# KiCad board m-blanc.kicad_pcb (continued)
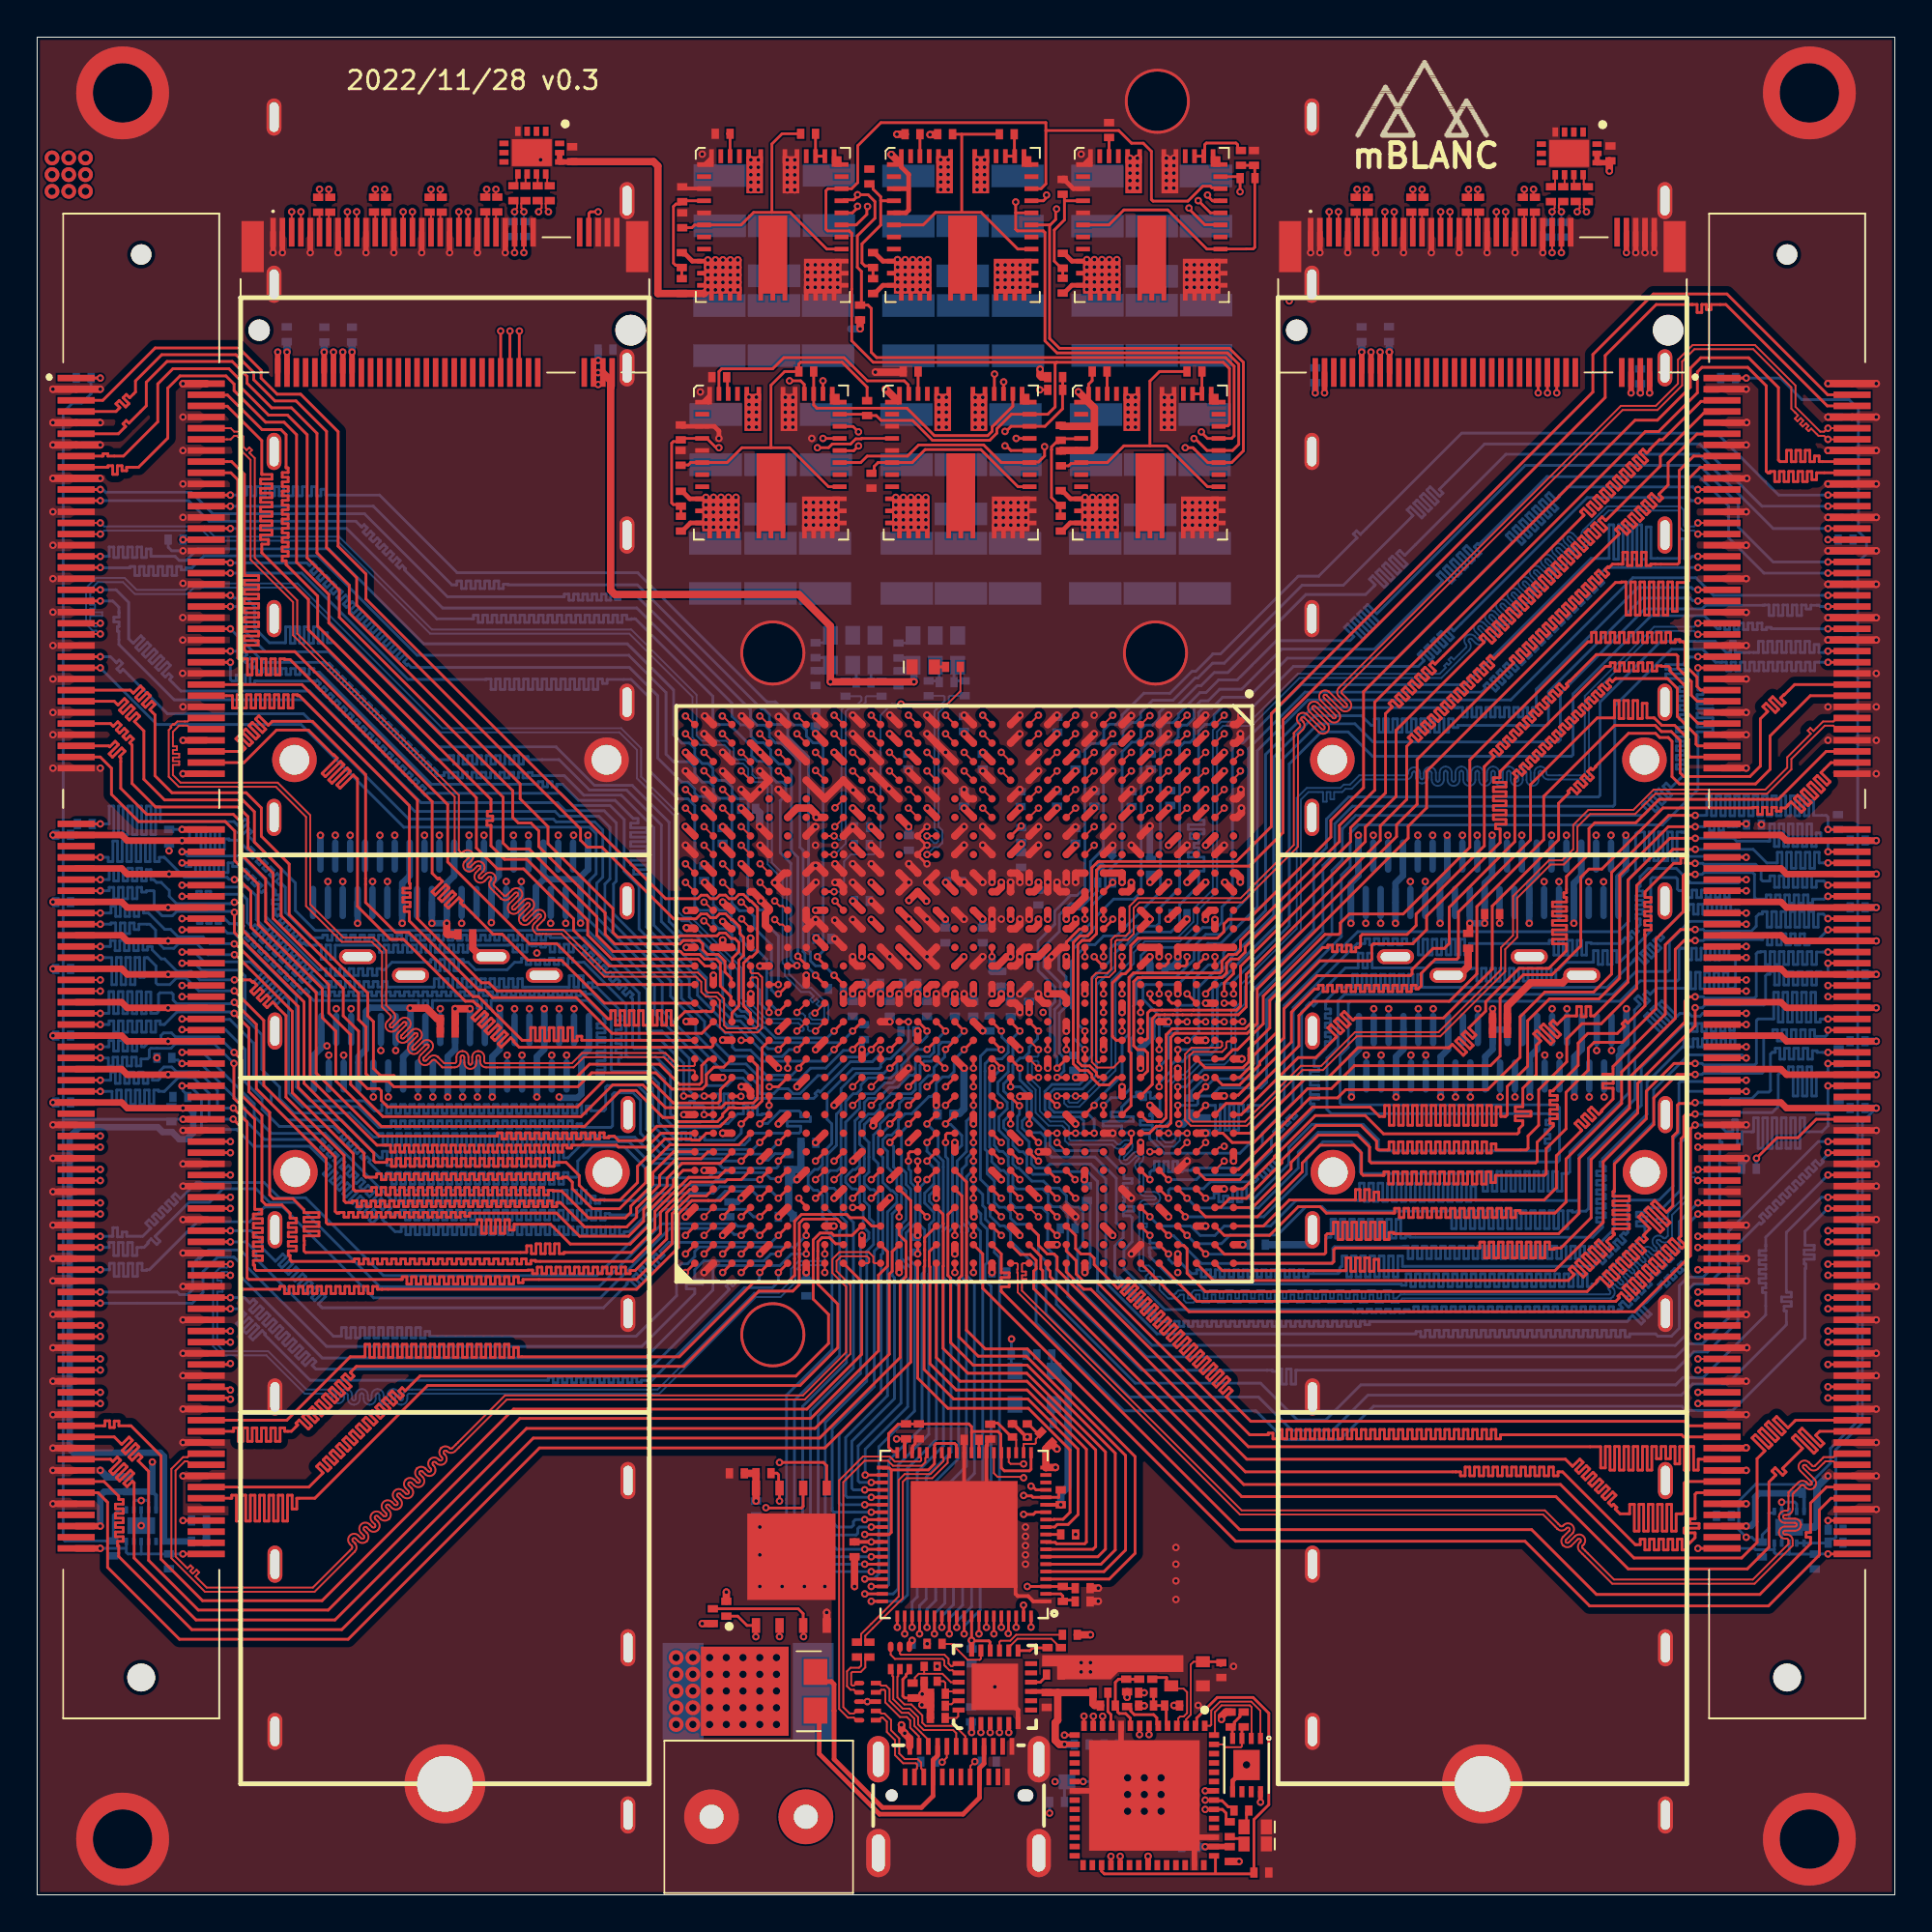
[diagram p0: board, top side]
## Nets (continued)
DRAM1_A6: DIMM1.90 U1.AF22
DRAM1_A7: DIMM1.86 U1.AG22
DRAM1_A8: DIMM1.89 U1.AG23
DRAM1_A9: DIMM1.85 U1.AJ23
DRAM1_A10: DIMM1.107 U1.AK25
DRAM1_A11: DIMM1.84 U1.AF21
DRAM1_A12: DIMM1.83 U1.AK23
DRAM1_A13: DIMM1.119 U1.AJ26
DRAM1_A14: DIMM1.80 U1.AH21
DRAM1_A15: DIMM1.78 U1.AJ22
DRAM1_BA0: DIMM1.109 U1.AH25
DRAM1_BA1: DIMM1.108 U1.AE24
DRAM1_BA2: DIMM1.79 U1.AH22
DRAM1_CAS#: DIMM1.115 U1.AK26
DRAM1_CK0_N: DIMM1.103 U1.Y21
DRAM1_CK0_P: DIMM1.101 U1.Y20
DRAM1_CK1_N: DIMM1.104 U1.AA21
DRAM1_CK1_P: DIMM1.102 U1.AA20
DRAM1_CKE0: DIMM1.73 R29.1 U1.AJ21
DRAM1_CKE1: DIMM1.74 R31.1 U1.AK21
DRAM1_CS0#: DIMM1.114 U1.AF25
DRAM1_CS1#: DIMM1.121 U1.AH26
DRAM1_DM0: DIMM1.11 U1.AH14
DRAM1_DM1: DIMM1.28 U1.AE14
DRAM1_DM2: DIMM1.46 U1.AE18
DRAM1_DM3: DIMM1.63 U1.AH20
DRAM1_DM4: DIMM1.136 U1.AK28
DRAM1_DM5: DIMM1.153 U1.AG28
DRAM1_DM6: DIMM1.170 U1.AA25
DRAM1_DM7: DIMM1.187 U1.W29
DRAM1_DQ0: DIMM1.5 U1.AG17
DRAM1_DQ1: DIMM1.7 U1.AH17
DRAM1_DQ2: DIMM1.15 U1.AH15
DRAM1_DQ3: DIMM1.17 U1.AH16
DRAM1_DQ4: DIMM1.4 U1.AJ14
DRAM1_DQ5: DIMM1.6 U1.AK14
DRAM1_DQ6: DIMM1.16 U1.AK15
DRAM1_DQ7: DIMM1.18 U1.AK16
DRAM1_DQ8: DIMM1.21 U1.AC15
DRAM1_DQ9: DIMM1.23 U1.AD14
DRAM1_DQ10: DIMM1.33 U1.AF15
DRAM1_DQ11: DIMM1.35 U1.AE15
DRAM1_DQ12: DIMM1.22 U1.AC14
DRAM1_DQ13: DIMM1.24 U1.AB15
DRAM1_DQ14: DIMM1.34 U1.AE16
DRAM1_DQ15: DIMM1.36 U1.AF16
DRAM1_DQ16: DIMM1.39 U1.AD19
DRAM1_DQ17: DIMM1.41 U1.AA18
DRAM1_DQ18: DIMM1.51 U1.Y18
DRAM1_DQ19: DIMM1.53 U1.Y19
DRAM1_DQ20: DIMM1.40 U1.AB17
DRAM1_DQ21: DIMM1.42 U1.AA17
DRAM1_DQ22: DIMM1.50 U1.AD18
DRAM1_DQ23: DIMM1.52 U1.AB18
DRAM1_DQ24: DIMM1.57 U1.AJ19
DRAM1_DQ25: DIMM1.59 U1.AH19
DRAM1_DQ26: DIMM1.67 U1.AG19
DRAM1_DQ27: DIMM1.69 U1.AF18
DRAM1_DQ28: DIMM1.56 U1.AJ16
DRAM1_DQ29: DIMM1.58 U1.AJ17
DRAM1_DQ30: DIMM1.68 U1.AK18
DRAM1_DQ31: DIMM1.70 U1.AJ18
DRAM1_DQ32: DIMM1.129 U1.AK30
DRAM1_DQ33: DIMM1.131 U1.AH30
DRAM1_DQ34: DIMM1.141 U1.AG30
DRAM1_DQ35: DIMM1.143 U1.AG29
DRAM1_DQ36: DIMM1.130 U1.AG27
DRAM1_DQ37: DIMM1.132 U1.AJ29
DRAM1_DQ38: DIMM1.140 U1.AK29
DRAM1_DQ39: DIMM1.142 U1.AH29
DRAM1_DQ40: DIMM1.147 U1.AF27
DRAM1_DQ41: DIMM1.149 U1.AF28
DRAM1_DQ42: DIMM1.157 U1.AE29
DRAM1_DQ43: DIMM1.159 U1.AD29
DRAM1_DQ44: DIMM1.146 U1.AE28
DRAM1_DQ45: DIMM1.148 U1.AD28
DRAM1_DQ46: DIMM1.158 U1.AF30
DRAM1_DQ47: DIMM1.160 U1.AE30
DRAM1_DQ48: DIMM1.163 U1.AC24
DRAM1_DQ49: DIMM1.165 U1.AB24
DRAM1_DQ50: DIMM1.175 U1.Y26
DRAM1_DQ51: DIMM1.177 U1.Y25
DRAM1_DQ52: DIMM1.164 U1.AD27
DRAM1_DQ53: DIMM1.166 U1.AC26
DRAM1_DQ54: DIMM1.174 U1.AA27
DRAM1_DQ55: DIMM1.176 U1.AA26
DRAM1_DQ56: DIMM1.181 U1.AB30
DRAM1_DQ57: DIMM1.183 U1.Y29
DRAM1_DQ58: DIMM1.191 U1.W28
DRAM1_DQ59: DIMM1.193 U1.W26
DRAM1_DQ60: DIMM1.180 U1.Y28
DRAM1_DQ61: DIMM1.182 U1.AB28
DRAM1_DQ62: DIMM1.192 U1.AA28
DRAM1_DQ63: DIMM1.194 U1.AB29
DRAM1_DQS0_N: DIMM1.10 U1.AG15
DRAM1_DQS0_P: DIMM1.12 U1.AG14
DRAM1_DQS1_N: DIMM1.27 U1.AD16
DRAM1_DQS1_P: DIMM1.29 U1.AC16
DRAM1_DQS2_N: DIMM1.45 U1.AD17
DRAM1_DQS2_P: DIMM1.47 U1.AC17
DRAM1_DQS3_N: DIMM1.62 U1.AK20
DRAM1_DQS3_P: DIMM1.64 U1.AK19
DRAM1_DQS4_N: DIMM1.135 U1.AJ28
DRAM1_DQS4_P: DIMM1.137 U1.AJ27
DRAM1_DQS5_N: DIMM1.152 U1.AC30
DRAM1_DQS5_P: DIMM1.154 U1.AC29
DRAM1_DQS6_N: DIMM1.169 U1.AC25
DRAM1_DQS6_P: DIMM1.171 U1.AB25
DRAM1_DQS7_N: DIMM1.186 U1.AA30
DRAM1_DQS7_P: DIMM1.188 U1.Y30
DRAM1_EVENT#: DIMM1.198 R33.1
DRAM1_ODT0: DIMM1.116 R23.1 U1.AE26
DRAM1_ODT1: DIMM1.120 R25.1 U1.AF26
DRAM1_RAS#: DIMM1.110 U1.AE25
DRAM1_RESET#: DIMM1.30 R27.1 U1.AE20
DRAM1_VTT: C26.1 DIMM1.203 DIMM1.204 U7.3 U7.5
DRAM1_VTTREF: C1.2 C2.2 C22.2 C28.2 DIMM1.1 DIMM1.126 U1.AE19 U1.AG18 U1.AH27 U1.W27 U7.6
DRAM1_WE#: DIMM1.113 U1.AG25
DRAM2_A0: DIMM2.98 U1.A30
DRAM2_A1: DIMM2.97 U1.D27
DRAM2_A2: DIMM2.96 U1.B29
DRAM2_A3: DIMM2.95 U1.D26
DRAM2_A4: DIMM2.92 U1.B28
DRAM2_A5: DIMM2.91 U1.C26
DRAM2_A6: DIMM2.90 U1.A28
DRAM2_A7: DIMM2.86 U1.C27
DRAM2_A8: DIMM2.89 U1.E26
DRAM2_A9: DIMM2.85 U1.E25
DRAM2_A10: DIMM2.107 U1.F27
DRAM2_A11: DIMM2.84 U1.A27
DRAM2_A12: DIMM2.83 U1.F25
DRAM2_A13: DIMM2.119 U1.E29
DRAM2_A14: DIMM2.80 U1.B27
DRAM2_A15: DIMM2.78 U1.A26
DRAM2_BA0: DIMM2.109 U1.D28
DRAM2_BA1: DIMM2.108 U1.B30
DRAM2_BA2: DIMM2.79 U1.G24
DRAM2_CAS#: DIMM2.115 U1.E28
DRAM2_CK0_N: DIMM2.103 U1.C24
DRAM2_CK0_P: DIMM2.101 U1.D24
DRAM2_CK1_N: DIMM2.104 U1.B25
DRAM2_CK1_P: DIMM2.102 U1.B24
DRAM2_CKE0: DIMM2.73 R28.1 U1.C25
DRAM2_CKE1: DIMM2.74 R30.1 U1.A25
DRAM2_CS0#: DIMM2.114 U1.D29
DRAM2_CS1#: DIMM2.121 U1.F28
DRAM2_DM0: DIMM2.11 U1.F21
DRAM2_DM1: DIMM2.28 U1.K20
DRAM2_DM2: DIMM2.46 U1.E20
DRAM2_DM3: DIMM2.63 U1.A20
DRAM2_DM4: DIMM2.136 U1.P19
DRAM2_DM5: DIMM2.153 U1.M24
DRAM2_DM6: DIMM2.170 U1.L25
DRAM2_DM7: DIMM2.187 U1.K30
DRAM2_DQ0: DIMM2.5 U1.F20
DRAM2_DQ1: DIMM2.7 U1.F18
DRAM2_DQ2: DIMM2.15 U1.F22
DRAM2_DQ3: DIMM2.17 U1.F23
DRAM2_DQ4: DIMM2.4 U1.G20
DRAM2_DQ5: DIMM2.6 U1.H20
DRAM2_DQ6: DIMM2.16 U1.G18
DRAM2_DQ7: DIMM2.18 U1.G22
DRAM2_DQ8: DIMM2.21 U1.K23
DRAM2_DQ9: DIMM2.23 U1.J23
DRAM2_DQ10: DIMM2.33 U1.J22
DRAM2_DQ11: DIMM2.35 U1.H22
DRAM2_DQ12: DIMM2.22 U1.L18
DRAM2_DQ13: DIMM2.24 U1.K19
DRAM2_DQ14: DIMM2.34 U1.J19
DRAM2_DQ15: DIMM2.36 U1.J18
DRAM2_DQ16: DIMM2.39 U1.E19
DRAM2_DQ17: DIMM2.41 U1.D18
DRAM2_DQ18: DIMM2.51 U1.D22
DRAM2_DQ19: DIMM2.53 U1.C22
DRAM2_DQ20: DIMM2.40 U1.E18
DRAM2_DQ21: DIMM2.42 U1.D19
DRAM2_DQ22: DIMM2.50 U1.D21
DRAM2_DQ23: DIMM2.52 U1.C21
DRAM2_DQ24: DIMM2.57 U1.B19
DRAM2_DQ25: DIMM2.59 U1.C19
DRAM2_DQ26: DIMM2.67 U1.B20
DRAM2_DQ27: DIMM2.69 U1.A21
DRAM2_DQ28: DIMM2.56 U1.B22
DRAM2_DQ29: DIMM2.58 U1.A22
DRAM2_DQ30: DIMM2.68 U1.A23
DRAM2_DQ31: DIMM2.70 U1.B23
DRAM2_DQ32: DIMM2.129 U1.M17
DRAM2_DQ33: DIMM2.131 U1.N21
DRAM2_DQ34: DIMM2.141 U1.N19
DRAM2_DQ35: DIMM2.143 U1.N20
DRAM2_DQ36: DIMM2.130 U1.N17
DRAM2_DQ37: DIMM2.132 U1.P21
DRAM2_DQ38: DIMM2.140 U1.P17
DRAM2_DQ39: DIMM2.142 U1.P18
DRAM2_DQ40: DIMM2.147 U1.N22
DRAM2_DQ41: DIMM2.149 U1.M22
DRAM2_DQ42: DIMM2.157 U1.P24
DRAM2_DQ43: DIMM2.159 U1.N25
DRAM2_DQ44: DIMM2.146 U1.P23
DRAM2_DQ45: DIMM2.148 U1.L21
DRAM2_DQ46: DIMM2.158 U1.M23
DRAM2_DQ47: DIMM2.160 U1.N24
DRAM2_DQ48: DIMM2.163 U1.K26
DRAM2_DQ49: DIMM2.165 U1.L26
DRAM2_DQ50: DIMM2.175 U1.N26
DRAM2_DQ51: DIMM2.177 U1.P28
DRAM2_DQ52: DIMM2.164 U1.K25
DRAM2_DQ53: DIMM2.166 U1.L27
DRAM2_DQ54: DIMM2.174 U1.P27
DRAM2_DQ55: DIMM2.176 U1.P26
DRAM2_DQ56: DIMM2.181 U1.K28
DRAM2_DQ57: DIMM2.183 U1.K29
DRAM2_DQ58: DIMM2.191 U1.M28
DRAM2_DQ59: DIMM2.193 U1.L30
DRAM2_DQ60: DIMM2.180 U1.M29
DRAM2_DQ61: DIMM2.182 U1.N29
DRAM2_DQ62: DIMM2.192 U1.P29
DRAM2_DQ63: DIMM2.194 U1.R29
DRAM2_DQS0_N: DIMM2.10 U1.G19
DRAM2_DQS0_P: DIMM2.12 U1.H19
DRAM2_DQS1_N: DIMM2.27 U1.J21
DRAM2_DQS1_P: DIMM2.29 U1.K21
DRAM2_DQS2_N: DIMM2.45 U1.D23
DRAM2_DQS2_P: DIMM2.47 U1.E23
DRAM2_DQS3_N: DIMM2.62 U1.A18
DRAM2_DQS3_P: DIMM2.64 U1.B18
DRAM2_DQS4_N: DIMM2.135 U1.M19
DRAM2_DQS4_P: DIMM2.137 U1.M18
DRAM2_DQS5_N: DIMM2.152 U1.K24
DRAM2_DQS5_P: DIMM2.154 U1.L23
DRAM2_DQS6_N: DIMM2.169 U1.M27
DRAM2_DQS6_P: DIMM2.171 U1.N27
DRAM2_DQS7_N: DIMM2.186 U1.M30
DRAM2_DQS7_P: DIMM2.188 U1.N30
DRAM2_EVENT#: DIMM2.198 R32.1
DRAM2_ODT0: DIMM2.116 R22.1 U1.E30
DRAM2_ODT1: DIMM2.120 R24.1 U1.F30
DRAM2_RAS#: DIMM2.110 U1.C30
DRAM2_RESET#: DIMM2.30 R26.1 U1.E24
DRAM2_VTT: C27.1 DIMM2.203 DIMM2.204 U8.3 U8.5
DRAM2_VTTREF: C23.2 C24.2 C25.2 C29.2 C172.2 C173.2 C174.2 DIMM2.1 DIMM2.126 U1.C20 U1.K18 U1.L28 U1.M20 U8.6
DRAM2_WE#: DIMM2.113 U1.C29
FLASH_CLK: U1.H13 U6.6
FLASH_CS: R18.1 U1.V26 U6.1
FLASH_IO0: U1.R30 U6.5
FLASH_IO1: U1.T30 U6.2
FLASH_IO2: R17.1 U1.R28 U6.3
FLASH_IO3: R19.1 U1.T28 U6.7
FT_BE0: U1.T25 U4.4
FT_BE1: U1.T26 U4.5
FT_BE2: U1.T27 U4.6
FT_BE3: U1.U27 U4.7
FT_CLK: U1.W18 U4.58
FT_D0: U1.V22 U4.40
FT_D1: U1.W23 U4.41
FT_D2: U1.R18 U4.42
FT_D3: U1.W22 U4.43
FT_D4: U1.T18 U4.44
FT_D5: U1.W21 U4.45
FT_D6: U1.T17 U4.46
FT_D7: U1.U17 U4.47
FT_D8: U1.U18 U4.50
FT_D9: U1.V17 U4.51
FT_D10: U1.W19 U4.52
FT_D11: U1.W17 U4.53
FT_D12: U1.V24 U4.54
FT_D13: U1.U25 U4.55
FT_D14: U1.U24 U4.56
FT_D15: U1.U23 U4.57
FT_D16: U1.U22 U4.60
FT_D17: U1.T23 U4.61
FT_D18: U1.T22 U4.62
FT_D19: U1.R21 U4.63
FT_D20: U1.R23 U4.64
FT_D21: U1.R24 U4.65
FT_D22: U1.R26 U4.66
FT_D23: U1.R25 U4.67
FT_D24: U1.V21 U4.69
FT_D25: U1.V20 U4.70
FT_D26: U1.V25 U4.71
FT_D27: U1.V19 U4.72
FT_D28: U1.V27 U4.73
FT_D29: U1.U20 U4.74
FT_D30: U1.T21 U4.75
FT_D31: U1.T20 U4.76
FT_OE: U1.U19 U4.13
FT_RD: U1.V30 U4.12
FT_RST: R3.2 U1.R19 U4.15
FT_RXF: U1.U29 U4.9
FT_TXE: U1.U30 U4.8
FT_WK: U1.R20 U4.16
FT_WR: U1.U28 U4.11
GCLK: C84.2 U1.G15 Y1.3
JTAG_TCK: U1.H12 U3.12
JTAG_TDI: U1.H11 U3.13
JTAG_TDO: U1.J13 U3.14
JTAG_TMS: U1.J11 U3.15
NetC4_2: C4.2 U3.2 U3.31 U3.43
NetC5_2: C5.2 FB5.1 U4.3 U4.30 U4.33 U4.39 U4.48
NetC6_2: C6.2 C7.2 FB2.1 U3.9
NetC8_2: C8.2 C9.2 FB3.1 U3.5
NetC11_2: C11.2 FB4.2 U4.20 U4.24 U4.28 U4.38
NetC12_1: C12.1 U3.3 X1.1
NetC13_1: C13.1 FB5.2 U4.2
NetC14_2: C14.2 U3.4 X1.3
NetC16_2: C16.2 U2.22 X2.3
NetC17_1: C17.1 U4.21 X3.1
NetC18_1: C18.1 U4.22 X3.3
NetC19_1: C19.1 U2.10
NetC20_1: C20.1 U2.23
NetC21_2: C21.2 U2.21 X2.1
NetC36_2: C36.2 R35.1 R36.1 VR1.4 VR2.4
NetC41_2: C41.2 R34.1 R37.1 VR1.6 VR1.26
NetC44_2: C44.2 VR2.6 VR2.26
NetC47_2: C47.2 R42.1 R43.1 VR3.4
NetC52_2: C52.2 R41.1 VR3.6 VR3.26
NetC55_2: C55.2 R46.1 R47.1 VR4.4
NetC60_2: C60.2 R45.1 R57.1 VR4.6 VR4.26
NetC63_2: C63.2 R50.1 R51.1 VR5.4
NetC68_2: C68.2 R49.1 VR5.6 VR5.26
NetC71_2: C71.2 R54.1 R55.1 VR6.4
NetC76_2: C76.2 R53.1 VR6.6 VR6.26
NetC85_1: C85.1 R64.1 Y2.5
NetC86_1: C86.1 R64.2 Y2.4
NetC87_2: C87.2 K1.11
NetC88_2: C88.2 K1.10
NetC91_2: C91.2 K2.11
NetC92_2: C92.2 K2.10
NetC93_2: C93.2 M.2 #1.49
NetC94_2: C94.2 M.2 #2.49
NetC95_2: C95.2 M.2 #1.47
NetC96_2: C96.2 M.2 #2.47
NetC97_2: C97.2 M.2 #1.37
NetC98_2: C98.2 M.2 #2.37
NetC99_2: C99.2 M.2 #1.35
NetC100_2: C100.2 M.2 #2.35
NetC101_2: C101.2 M.2 #1.25
NetC102_2: C102.2 M.2 #2.25
NetC103_2: C103.2 M.2 #1.23
NetC104_2: C104.2 M.2 #2.23
NetC105_2: C105.2 M.2 #1.13
NetC106_2: C106.2 M.2 #2.13
NetC107_2: C107.2 M.2 #1.11
NetC108_2: C108.2 M.2 #2.11
NetC177_1: C177.1 R77.1 Y3.5
NetC178_1: C178.1 R77.2 Y3.4
NetCON1_A4: CON1.A4 CON1.B9 D1.1
NetCON1_A5: CON1.A5 R61.2
NetCON1_A9: CON1.A9 CON1.B4 D1.2
NetCON1_B5: CON1.B5 R60.2
NetD2_2: D2.2 J1.2
NetDS1_1: DS1.1 R4.1
NetDS2_1: DS2.1 R1.1
NetDS3_1: DS3.1 R21.1
NetFB1_1: FB1.1 U1.P13
NetK1_8: K1.8 R68.2
NetK1_9: K1.9 R67.2
NetK2_8: K2.8 R72.2
NetK2_9: K2.9 R71.2
NetQ1_1: Q1.1 R75.1 U3.20
NetR2_1: R2.1 U4.10
NetR5_1: R5.1 U4.27
NetR6_2: R6.2 U3.11
NetR7_2: R7.2 U3.6
NetR8_1: R8.1 U3.55 U5.3
NetR8_2: R8.2 R9.1 U5.4
NetR10_2: R10.2 U2.15
NetR11_1: R11.1 U2.14
NetR12_1: R12.1 U2.13
NetR13_2: R13.2 U2.17
NetR14_2: R14.2 U2.24
NetR16_1: R16.1 U1.H10
NetR20_1: R20.1 U1.V29
NetR21_2: R21.2 U1.AC10
NetR34_2: R34.2 VR1.36 VR2.35
NetR38_1: R38.1 VR1.43
NetR39_1: R39.1 R59.1 VR1.31 VR2.31
NetR40_1: R40.1 VR2.43
NetR41_2: R41.2 VR3.35 VR3.36
NetR44_1: R44.1 VR3.43
NetR45_2: R45.2 VR4.35 VR4.36
NetR48_1: R48.1 VR4.43
NetR49_2: R49.2 VR5.35 VR5.36
NetR52_1: R52.1 VR5.43
NetR53_2: R53.2 VR6.35 VR6.36
NetR56_1: R56.1 VR6.43
NetR62_2: R62.2 Y1.1
NetR63_1: R63.1 Y2.1
NetR65_1: R65.1 U1.N7
NetR76_1: R76.1 Y3.1
NetU3_1: U3.1 U5.1
NetU3_56: U3.56 U5.2
NetVR1_35: VR1.35 VR2.36
NetVR1_37: VR1.37 VR2.37
NetVR1_44: VR1.44 VR2.44
PCIe1_CKRQ: M.2 #1.52 U1.B17
PCIe1_CLK_N: M.2 #1.53 R67.1 R70.2
PCIe1_CLK_P: M.2 #1.55 R68.1 R69.2
PCIe1_DET: M.2 #1.69 U1.A17
PCIe1_PERST: M.2 #1.54 U1.C17
PCIe1_RCLK_N: C88.1 U1.J7
PCIe1_RCLK_P: C87.1 U1.J8
PCIe1_RX0_N: M.2 #1.41 U1.M5
PCIe1_RX0_P: M.2 #1.43 U1.M6
PCIe1_RX1_N: M.2 #1.29 U1.L3
PCIe1_RX1_P: M.2 #1.31 U1.L4
PCIe1_RX2_N: M.2 #1.17 U1.K5
PCIe1_RX2_P: M.2 #1.19 U1.K6
PCIe1_RX3_N: M.2 #1.5 U1.J3
PCIe1_RX3_P: M.2 #1.7 U1.J4
PCIe1_TX0_N: C95.1 U1.M1
PCIe1_TX0_P: C93.1 U1.M2
PCIe1_TX1_N: C99.1 U1.K1
PCIe1_TX1_P: C97.1 U1.K2
PCIe1_TX2_N: C103.1 U1.H1
PCIe1_TX2_P: C101.1 U1.H2
PCIe1_TX3_N: C107.1 U1.F1
PCIe1_TX3_P: C105.1 U1.F2
PCIe1_WAKE: M.2 #1.50 U1.B14
PCIe2_CKRQ: M.2 #2.52 U1.A14
PCIe2_CLK_N: M.2 #2.55 R71.1 R74.2
PCIe2_CLK_P: M.2 #2.53 R72.1 R73.2
PCIe2_DET: M.2 #2.69 U1.D17
PCIe2_PERST: M.2 #2.50 U1.A16
PCIe2_RCLK_N: C92.1 U1.F5
PCIe2_RCLK_P: C91.1 U1.F6
PCIe2_RX0_N: M.2 #2.41 U1.G3
PCIe2_RX0_P: M.2 #2.43 U1.G4
PCIe2_RX1_N: M.2 #2.29 U1.E3
PCIe2_RX1_P: M.2 #2.31 U1.E4
PCIe2_RX2_N: M.2 #2.17 U1.D5
PCIe2_RX2_P: M.2 #2.19 U1.D6
PCIe2_RX3_N: M.2 #2.5 U1.C3
PCIe2_RX3_P: M.2 #2.7 U1.C4
PCIe2_TX0_N: C96.1 U1.D1
PCIe2_TX0_P: C94.1 U1.D2
PCIe2_TX1_N: C100.1 U1.B1
PCIe2_TX1_P: C98.1 U1.B2
PCIe2_TX2_N: C104.1 U1.A3
PCIe2_TX2_P: C102.1 U1.A4
PCIe2_TX3_N: C108.1 U1.B5
PCIe2_TX3_P: C106.1 U1.B6
PCIe2_WAKE: M.2 #2.54 U1.A15
POK_1.0V: R37.2 VR1.32 VR2.32 VR3.31 VR4.31 VR5.31 VR6.31
POK_1.35V: R57.2 U7.7 U7.9 U8.7 U8.9 VR4.32
PROG_B: Q1.3 R15.1 U1.AB11
PWR_ALT: R58.2 U1.D16 VR1.30 VR2.30 VR3.30 VR4.30 VR5.30 VR6.30
PWR_SCL: U1.C16 VR1.28 VR2.28 VR3.28 VR4.28 VR5.28 VR6.28
PWR_SDA: U1.E15 VR1.29 VR2.29 VR3.29 VR4.29 VR5.29 VR6.29
Q0_CLK_N: C85.2 U1.AC7
Q0_CLK_P: C86.2 U1.AC8
Q1_CLK_N: C177.2 U1.U7
Q1_CLK_P: C178.2 U1.U8
Q1_RST: QSFP+ #1.9 U1.G17
Q1_SEL: QSFP+ #1.8 U1.C14
Q2_RST: QSFP+ #2.9 U1.F17
Q2_SEL: QSFP+ #2.8 U1.D14
Q3_RST: QSFP+ #3.9 U1.E16
Q3_SEL: QSFP+ #3.8 U1.E14
Q4_RST: QSFP+ #4.9 U1.F16
Q4_SEL: QSFP+ #4.8 U1.B15
Q_INT: QSFP+ #1.28 QSFP+ #2.28 QSFP+ #3.28 QSFP+ #4.28 R66.2 U1.H17
Q_SCL: QSFP+ #1.11 QSFP+ #2.11 QSFP+ #3.11 QSFP+ #4.11 U1.G14
Q_SDA: QSFP+ #1.12 QSFP+ #2.12 QSFP+ #3.12 QSFP+ #4.12 U1.H14
QSFP1_RX1_N: QSFP+ #1.18 U1.AB5
QSFP1_RX1_P: QSFP+ #1.17 U1.AB6
QSFP1_RX2_N: QSFP+ #1.21 U1.AA3
QSFP1_RX2_P: QSFP+ #1.22 U1.AA4
QSFP1_RX3_N: QSFP+ #1.14 U1.Y5
QSFP1_RX3_P: QSFP+ #1.15 U1.Y6
QSFP1_RX4_N: QSFP+ #1.24 U1.W3
QSFP1_RX4_P: QSFP+ #1.25 U1.W4
QSFP1_TX1_N: QSFP+ #1.37 U1.AF1
QSFP1_TX1_P: QSFP+ #1.36 U1.AF2
QSFP1_TX2_N: QSFP+ #1.2 U1.AD1
QSFP1_TX2_P: QSFP+ #1.3 U1.AD2
QSFP1_TX3_N: QSFP+ #1.34 U1.AB1
QSFP1_TX3_P: QSFP+ #1.33 U1.AB2
QSFP1_TX4_N: QSFP+ #1.5 U1.Y1
QSFP1_TX4_P: QSFP+ #1.6 U1.Y2
QSFP2_RX1_N: QSFP+ #2.18 U1.V5
QSFP2_RX1_P: QSFP+ #2.17 U1.V6
QSFP2_RX2_N: QSFP+ #2.21 U1.U3
QSFP2_RX2_P: QSFP+ #2.22 U1.U4
QSFP2_RX3_N: QSFP+ #2.14 U1.R3
QSFP2_RX3_P: QSFP+ #2.15 U1.R4
QSFP2_RX4_N: QSFP+ #2.24 U1.P5
QSFP2_RX4_P: QSFP+ #2.25 U1.P6
QSFP2_TX1_N: QSFP+ #2.37 U1.V1
QSFP2_TX1_P: QSFP+ #2.36 U1.V2
QSFP2_TX2_N: QSFP+ #2.2 U1.T1
QSFP2_TX2_P: QSFP+ #2.3 U1.T2
QSFP2_TX3_N: QSFP+ #2.34 U1.P1
QSFP2_TX3_P: QSFP+ #2.33 U1.P2
QSFP2_TX4_N: QSFP+ #2.5 U1.N3
QSFP2_TX4_P: QSFP+ #2.6 U1.N4
QSFP3_RX1_N: QSFP+ #3.18 U1.AH5
QSFP3_RX1_P: QSFP+ #3.17 U1.AH6
QSFP3_RX2_N: QSFP+ #3.21 U1.AG3
QSFP3_RX2_P: QSFP+ #3.22 U1.AG4
QSFP3_RX3_N: QSFP+ #3.14 U1.AE3
QSFP3_RX3_P: QSFP+ #3.15 U1.AE4
QSFP3_RX4_N: QSFP+ #3.24 U1.AC3
QSFP3_RX4_P: QSFP+ #3.25 U1.AC4
QSFP3_TX1_N: QSFP+ #3.37 U1.AK5
QSFP3_TX1_P: QSFP+ #3.36 U1.AK6
QSFP3_TX2_N: QSFP+ #3.2 U1.AJ3
QSFP3_TX2_P: QSFP+ #3.3 U1.AJ4
QSFP3_TX3_N: QSFP+ #3.34 U1.AK1
QSFP3_TX3_P: QSFP+ #3.33 U1.AK2
QSFP3_TX4_N: QSFP+ #3.5 U1.AH1
QSFP3_TX4_P: QSFP+ #3.6 U1.AH2
QSFP4_RX1_N: QSFP+ #4.18 U1.AH9
QSFP4_RX1_P: QSFP+ #4.17 U1.AH10
QSFP4_RX2_N: QSFP+ #4.21 U1.AG11
QSFP4_RX2_P: QSFP+ #4.22 U1.AG12
QSFP4_RX3_N: QSFP+ #4.14 U1.AF9
QSFP4_RX3_P: QSFP+ #4.15 U1.AF10
QSFP4_RX4_N: QSFP+ #4.24 U1.AE11
QSFP4_RX4_P: QSFP+ #4.25 U1.AE12
QSFP4_TX1_N: QSFP+ #4.37 U1.AJ11
QSFP4_TX1_P: QSFP+ #4.36 U1.AJ12
QSFP4_TX2_N: QSFP+ #4.2 U1.AK9
QSFP4_TX2_P: QSFP+ #4.3 U1.AK10
QSFP4_TX3_N: QSFP+ #4.34 U1.AJ7
QSFP4_TX3_P: QSFP+ #4.33 U1.AJ8
QSFP4_TX4_N: QSFP+ #4.5 U1.AG7
QSFP4_TX4_P: QSFP+ #4.6 U1.AG8
RxL: R1.2 U3.48
SS_RX_N: FL1.9 U4.34
SS_RX_P: FL1.10 U4.35
SS_TX_N: C81.2 FL1.6
SS_TX_P: C82.2 FL1.7
SSRX_N: CON1.B10 FL1.2
SSRX_P: CON1.B11 FL1.1
SSTX_N: CON1.A3 FL1.5
SSTX_P: CON1.A2 FL1.4
TOD_N: C81.1 U4.31
TOD_P: C82.1 U4.32
TxL: R4.2 U3.49
UART_RX: U1.H16 U3.33
UART_TX: U1.H15 U3.32
USBD_N: CON1.A7 FL2.2
USBD_P: CON1.A6 FL2.1

Pads without a net: CON1 A8 A10 A11 B2 B3 B6 B7 B8; DIMM1 77 122 125 197 200 201 202; DIMM2 77 122 125 197 200 201 202; K1 1 2 3 5 6 7 14; K2 1 2 3 5 6 7 14; M.2 #1 6 8 10 20 22 24 26 28 30 32 34 36 38 40 42 44 46 48 56 58 67 68; M.2 #2 6 8 10 20 22 24 26 28 30 32 34 36 38 40 42 44 46 48 56 58 67 68; QSFP+ #1 27 31; QSFP+ #2 27 31; QSFP+ #3 27 31; QSFP+ #4 27 31; U1 A7 A8 A11 A12 AA22 AA23 AB14 AB19 AB20 AB22 AB23 AB27 AC19 AC20 AC21 AC22 AC27 AD5 AD6 AD21 AD22 AD23 AD24 AD26 AE7 AE8 AE21 AF5 AF6 AF17 AF20 AG20 B9 B10 C7 C8 C11 C12 C15 D9 D10 E7 E8 E11 E12 E21 F9 F10 F15 F26 G7 G8 G13 G23 G25 G27 G28 G29 G30 H5 H6 H21 H24 H25 H26 H27 H29 H30 J14 J16 J17 J24 J26 J27 J28 J29 L7 L8 L17 L20 L22 M25 P22 R7 R8 R12 R13 T5 T6 T12 T13 W7 W8 W24 Y23 Y24; U2 7 8 11 12; U3 17 18 19 22 23 24 25 26 27 28 29 30 34 35 37 38 39 40 42 46 47 51 52 53 54; U4 17 18; U5 6 7; VR1 2 7 8 16 17 18 27 33 34 42; VR2 2 7 8 16 17 18 27 33 34 42; VR3 2 7 8 16 17 18 27 32 33 34 37 42 44; VR4 2 7 8 16 17 18 27 33 34 37 42 44; VR5 2 7 8 16 17 18 27 32 33 34 37 42 44; VR6 2 7 8 16 17 18 27 32 33 34 37 42 44; Y2 2; Y3 2

## Via types
v1: diameter 0.4, hole 0.2, Top Layer to Bottom Layer, 1808 vias
v2: diameter 0.8, hole 0.4, Top Layer to Bottom Layer, 54 vias
v3: diameter 3.5, hole 3.2, Top Layer to Bottom Layer, 4 vias
v4: diameter 5, hole 3.2, Top Layer to Bottom Layer, 4 vias

## Routing (per net, layer and track width the routed paths; a pad name or vN(x,y) marks a point on that pad's centre or on a via; arc(x,y) is an arc through that point)
1.0V: length 65
  Top Layer w0.15: C36.1 34.73,73.41 ; R35.2 34.73,75.56
  Top Layer w0.25: VR1.9 35.13,75.15 34.73,75.56 ; VR1.11 35.16,73.85 34.73,73.41
  Top Layer w0.4: v1(45.9,48.5) 45.9,48.77 46.13,49 U1.W15 ; U1.AA13 44.4,50.75 v1(44.4,50.5) ; U1.U15 48.13,49 47.9,48.77 v1(47.9,48.5) ; v1(47.92,58.5) 47.92,58.49 48.4,58.01 U1.U6 ; v1(44.9,54.5) U1.Y10 ; U1.AH11 37.18,53.22 37.12,53.22 v1(36.9,53.44) ; v1(52.4,48.5) U1.N15 ; U1.N13 52.4,51 52.4,50.51 52.4,50.5 ; U1.AK11 35.39,52.99 34.95,52.99 v1(34.94,52.99) ; v1(55.9,52.52) 55.9,52.32 55.58,52 U1.K12 ; v1(50.4,48.5) U1.R15 ; v1(46.92,53.53) 46.93,53.53 47.4,54 U1.V10 47.4,53.98 47.87,53.51 v1(47.87,53.49) ; 49.89,50.49 49.89,50.49 49.4,50 U1.T14 ; U1.K16 55.4,48.26 55.16,48.5 v1(54.4,48.5) U1.L15 ; v1(51.9,54.51) 51.9,54.23 51.67,54 U1.P10 ; U1.P14 51.69,50 52.19,50.5 v1(52.4,50.5) ; U1.B11 63.13,53 62.89,52.77 v1(62.89,52.5) ; U1.AE6 40.9,58.5 41.61,58.5 41.93,58.17 v1(41.93,58) ; v1(50.9,52.52) 50.89,52.52 50.41,53 U1.R11 ; v1(48.9,54.5) U1.T10 ; v1(52.4,52.52) U1.N11 ; v1(43.9,48.5) 43.9,48.77 44.13,49 U1.AA15 ; U1.L13 53.9,50.5 v1(53.4,50.5) U1.M14 ; U1.U11 48.41,53 48.88,52.52 v1(48.89,52.52) ; v1(53.9,52.52) 53.9,52.23 53.67,52 U1.M12 ; U1.N6 v1(52.9,58.5) ; v1(43.9,53.5) U1.AA11 ; U1.W13 46.4,51 46.9,50.5 v1(46.9,50.5) 46.9,50.5 47.4,50 U1.V14 ; U1.M10 53.67,54 53.9,54.23 v1(53.9,54.51) ; v1(44.9,50.5) U1.Y14 ; v1(49.9,58.5) U1.R6 ; 36.01,75.14 VR1.9 ; v1(54.4,52.52) U1.L11 ; U1.V12 47.4,52.02 46.91,52.5 v1(46.91,52.52) 46.9,52.52 46.42,53 U1.W11 ; U1.G6 v1(58.9,58.5) ; v1(60.9,56.5) U1.D7 ; U1.K14 v1(55.4,50.5) ; U1.W6 46.41,58 46.91,57.5 v1(46.91,57.5) ; U1.L6 v1(54.9,58.5) ; U1.E6 v1(60.9,58.5) ; v1(60.88,52.52) 60.9,52.52 61.38,53 U1.D11 ; 42,58 U1.AC6 ; v1(37.9,58.5) U1.AG6 ; U1.J6 v1(56.9,58.5) ; v1(36.9,57.5) U1.AH7 ; v1(44.9,52.5) U1.Y12 ; v1(43.9,58.5) U1.AA6
  InLayer3 (PWR) w0.4: 44.4,50.1 44.4,50.1 v1(44.4,50.5) ; 49.89,50.49 49.89,49.89 49.8,49.8 ; v1(47.9,48.5) 47.9,49.3 ; v1(55.9,52.52) 55.9,53 ; v1(62.89,52.5) 62.89,52.99 ; 52.4,50.5 v1(52.4,50.5) 52.4,50 52.4,50 ; v1(60.88,52.52) 60.88,53.28 ; 51.9,53.6 v1(51.9,54.51) ; v1(36.9,57.5) 36.9,57.9 ; v1(52.4,48.5) 52.4,49.1 ; v1(60.9,56.5) 60.9,57.67 ; v1(43.9,48.5) 43.9,49.1 ; v1(46.9,50.5) 46.9,49.9 46.9,49.9 ; 48.9,53.8 v1(48.9,54.5) ; 53.9,54 v1(53.9,54.51) ; v1(53.9,52.52) 53.9,53.3 ; v1(46.91,57.5) 46.9,57.5 46.9,58 ; v1(50.9,52.52) 50.9,53.4 ; 44.9,50.1 v1(44.9,50.5) ; v1(45.9,48.5) 45.9,49.1 ; v1(46.91,52.52) 46.91,53.09 ; v1(48.89,52.52) 48.89,53.3 ; 44.9,54 v1(44.9,54.5) ; v1(52.4,52.52) 52.4,53.3 ; v1(50.4,48.5) 50.4,49.1 ; v1(54.4,52.52) 54.4,53.51 ; v1(44.9,52.5) 44.9,53 ; 53.4,50.1 v1(53.4,50.5) ; v1(54.4,48.5) 54.4,49.2 ; 55.4,49.9 v1(55.4,50.5)
  Bottom Layer w0.15: C127.2 48.89,52.06 ; 47.9,48.09 C115.2 ; 61.11,52.79 60.88,52.56 v1(60.88,52.52) ; C125.2 45.9,48.09 ; 52.4,48.11 52.42,48.09 ; 52.4,48.03 52.4,48.03 ; 46.91,57.03 C112.2 ; C122.2 53.9,54.09 ; C126.2 50.4,48.1
  Bottom Layer w0.4: C128.2 v1(50.9,52.52) ; 52.4,48.11 v1(52.4,48.5) ; 53.9,54.09 v1(53.9,54.51) ; 48.89,52.06 v1(48.89,52.52) ; 50.4,48.1 v1(50.4,48.5) ; 46.91,57.03 v1(46.91,57.5) ; 45.9,48.09 v1(45.9,48.5) ; 47.9,48.09 v1(47.9,48.5) ; C114.2 v1(43.9,48.5)
  vias: v1(36,75.23) v1(36,74.83) v1(36,74.43) v1(36,74.02) v1(36,73.62) v1(36.41,75.23) v1(36.4,74.83) v1(36.4,74.43) v1(36.41,74.02) v1(36.41,73.62) v1(36.81,75.23) v1(36.81,74.83) v1(36.81,74.43) v1(36.81,74.02) v1(36.81,73.62) v1(37.21,75.23) v1(37.21,74.83) v1(37.21,74.43) v1(37.21,74.02) v1(37.21,73.62) v1(37.62,75.23) v1(37.62,74.83) v1(37.62,74.43) v1(37.62,74.02) v1(37.62,73.62) v1(46.22,75.23) v1(46.22,74.82) v1(46.22,74.42) v1(46.22,74.02) v1(46.23,73.62) v1(46.63,75.23) v1(46.63,74.82) v1(46.63,74.42) v1(46.63,74.02) v1(46.64,73.62) v1(47.03,75.23) v1(47.03,74.82) v1(47.03,74.42) v1(47.03,74.02) v1(47.04,73.62) v1(47.43,75.23) v1(47.43,74.82) v1(47.43,74.42) v1(47.43,74.02) v1(47.44,73.62) v1(47.84,75.23) v1(47.84,74.82) v1(47.84,74.42) v1(47.84,74.02) v1(47.84,73.62) v1(49.89,50.5)
1.2V: length 29.6
  Top Layer w0.15: 55.07,73.41 C47.1 55.17,73.41 55.3,73.54 55.3,73.54 ; 60.4,55 U1.E9 ; 62.4,55 U1.C9 ; v1(45.88,62.5) 45.89,62.5 ; U1.AC2 42.4,62 ; v1(59.9,54.51) 59.9,54.51 ; U1.AJ6 36.4,58.01 ; 55.31,75.47 55.2,75.47 55.07,75.59 ; U1.AF3 39.4,61.01 ; 56.18,74.48 VR3.10 ; 52.98,56.57 v1(52.98,56.57) ; U1.AG2 38.41,62 ; v1(61.9,54.51) 61.9,54.51 ; 38.91,61.5 v1(38.92,61.5) 38.92,61.49 ; 41.9,62.51 v1(41.9,62.51) ; U1.N8 52.41,56 ; 46.39,62 U1.W2 ; 35.92,58.49 v1(35.92,58.5)
  Top Layer w0.25: R42.2 55.17,75.52 55.26,75.52 55.62,75.15 VR3.9 ; VR3.11 55.61,73.85 55.3,73.54
  Top Layer w0.4: U1.B3 v1(63.9,61.5) ; 38.41,62 38.91,61.5 ; 35.92,58.49 36.4,58.01 ; U1.G2 v1(58.9,62.5) ; 59.9,54.51 60.4,55 ; U1.F3 v1(59.9,61.5) ; v1(35.9,55.5) U1.AJ9 ; v1(46.9,61.5) U1.V3 ; U1.K3 v1(55.9,61.5) ; U1.C6 v1(62.9,58.5) ; v1(49.9,62.5) U1.R2 ; v1(62.9,56.5) U1.B7 ; 41.9,62.51 42.4,62 ; U1.L2 v1(54.9,62.5) ; 45.89,62.5 46.39,62 ; v1(42.9,61.5) U1.AB3 ; v1(37.9,55.5) U1.AG9 ; v1(34.89,57.51) U1.AK7 ; v1(34.9,61.5) U1.AK3 ; U1.C2 v1(62.9,62.5) ; 61.9,54.51 62.4,55 ; 52.41,56 52.98,56.57 ; 38.92,61.49 39.4,61.01 ; v1(50.9,61.5) U1.P3
  InLayer3 (PWR) w0.35: v1(52.98,56.57) 53.42,57.01 59.78,57.01
  InLayer3 (PWR) w0.4: 63.01,61 63.67,61 63.9,61.23 v1(63.9,61.5)
  Bottom Layer w0.15: C135.2 52.98,56.13 ; 59.9,54.88 C129.2
  Bottom Layer w0.4: 52.98,56.13 v1(52.98,56.57) ; v1(41.9,62.51) C136.2 ; v1(59.9,54.51) 59.9,54.88
  vias: v1(56.41,75.23) v1(56.41,74.82) v1(56.41,74.42) v1(56.41,74.02) v1(56.41,73.61) v1(56.81,75.23) v1(56.81,74.82) v1(56.81,74.42) v1(56.81,74.02) v1(56.81,73.61) v1(57.22,75.23) v1(57.22,74.82) v1(57.22,74.42) v1(57.22,74.02) v1(57.22,73.61) v1(57.62,75.23) v1(57.62,74.82) v1(57.62,74.42) v1(57.62,74.02) v1(57.62,73.61) v1(58.02,75.23) v1(58.02,74.82) v1(58.02,74.42) v1(58.02,74.02) v1(58.02,73.61)
1.8V: length 11.2
  Top Layer w0.15: U1.M16 53.4,48 ; 46.36,87.9 VR5.9 ; 45.2,88.28 45.12,88.28 R50.2
  Top Layer w0.25: 45.13,86.25 45.53,86.64 VR5.11 ; VR5.9 45.53,87.94 45.2,88.28
  Top Layer w0.3: 45.13,86.25 45.04,86.25 C63.1
  Top Layer w0.4: U1.T16 v1(49.4,48.5) ; U1.Y16 v1(45.4,48.5) ; 53.4,48 53.4,48 v1(53.4,47.5) ; v1(51.9,48.5) 51.9,48.23 51.67,48 U1.P16 ; U1.K8 v1(55.9,56.5) ; U1.V16 v1(47.4,48.5) ; v1(43.9,56.5) U1.AA8 ; v1(44.9,57.5) U1.Y7
  Bottom Layer w0.15: C179.2 49.4,48.09 ; C180.2 53.4,48.08 ; FB1.2 51.9,48.91
  Bottom Layer w0.4: v1(45.4,48.5) 45.4,48.85 45.4,48.85 C152.2 ; v1(53.4,47.5) 53.4,48.08 ; v1(47.4,48.5) 47.4,48.71 47.4,48.71 C153.2 ; 49.4,48.09 v1(49.4,48.5) ; v1(51.9,48.5) 51.9,48.91
  vias: v1(46.31,88.02) v1(46.32,87.62) v1(46.32,87.21) v1(46.32,86.81) v1(46.32,86.41) v1(46.73,88.02) v1(46.73,87.62) v1(46.73,87.21) v1(46.73,86.81) v1(46.73,86.41) v1(47.13,88.02) v1(47.13,87.62) v1(47.13,87.21) v1(47.13,86.81) v1(47.13,86.41) v1(47.53,88.02) v1(47.53,87.62) v1(47.53,87.21) v1(47.53,86.81) v1(47.53,86.41) v1(47.94,88.02) v1(47.94,87.62) v1(47.94,87.21) v1(47.94,86.81) v1(47.94,86.41)
1.35V: length 281.5
  Top Layer w0.15: VR4.9 57.24,87.13 56.51,86.41 ; C55.1 55.28,88.36
  Top Layer w0.25: R46.2 55.28,86.22 55.7,86.64 56.28,86.64 ; 55.28,88.36 55.7,87.94 VR4.9
  Top Layer w0.35: DIMM1.124 9.15,42.35 ; DIMM1.124 v1(7.85,42.35) ; DIMM1.124 4.85,42.35 4.55,42.65 DIMM1.123 v1(0.85,42.65) ; v1(99,47.75) DIMM2.106 94.17,47.75 93.87,48.05 DIMM2.105 ; DIMM1.94 6.58,51.35 4.85,51.35 4.55,51.65 DIMM1.93 ; DIMM2.99 93.87,49.85 94.17,49.55 DIMM2.100 v1(99,49.55) ; v1(0.85,53.45) DIMM1.87 4.55,53.45 4.85,53.15 DIMM1.88 ; DIMM1.106 4.85,47.75 4.55,48.05 DIMM1.105 ; v1(99,44.15) DIMM2.118 94.17,44.15 93.87,44.45 DIMM2.117 ; v1(0.85,49.85) DIMM1.99 4.55,49.85 4.85,49.55 DIMM1.100 ; DIMM2.75 93.87,57.05 94.17,56.75 DIMM2.76 v1(99,56.75) ; v1(99,54.95) DIMM2.82 94.17,54.95 93.87,55.25 DIMM2.81 ; v1(99,51.35) DIMM2.94 94.17,51.35 93.87,51.65 DIMM2.93 ; DIMM1.118 4.85,44.15 4.55,44.45 DIMM1.117 ; DIMM1.112 4.85,45.95 4.55,46.25 DIMM1.111 v1(0.85,46.25) ; v1(99,53.15) DIMM2.88 94.17,53.15 93.87,53.45 DIMM2.87 ; DIMM2.111 93.87,46.25 94.17,45.95 DIMM2.112 v1(99,45.95) ; DIMM1.82 4.85,54.95 4.55,55.25 DIMM1.81 ; DIMM2.123 93.87,42.65 94.17,42.35 DIMM2.124 v1(99,42.35) ; v1(0.85,57.05) DIMM1.75 4.55,57.05 4.85,56.75 v1(7.8,56.75) DIMM1.76
  Top Layer w0.4: U1.AA19 v1(44.4,45.5) ; U1.N23 v1(52.9,40.5) ; v1(57.4,45.5) 57.4,45.5 57.4,46 U1.H18 ; U1.B26 v1(63.9,38) ; 54.4,44.51 U1.L19 ; v1(45,41.4) 45.04,41.45 45.04,41.64 U1.Y22 ; v1(35.9,39) U1.AJ25 ; U1.AJ15 v1(36.4,49.5) ; U1.J25 56.38,38.98 56.38,38.52 v1(56.37,38.5) ; v1(45.9,38.5) U1.W25 ; U1.E27 v1(60.9,36.5) ; U1.AG21 38.4,43.27 38.17,43.5 v1(37.9,43.5) ; v1(39.9,36.5) U1.AE27 ; v1(42.9,37.5) U1.AB26 ; 51.4,43.93 U1.P20 v1(51.4,44.5) ; U1.AB16 v1(43.4,48.5) ; v1(41.4,33.5) U1.AD30 ; 34.9,42 U1.AK22 ; U1.H28 v1(57.9,35.5) ; U1.F24 v1(59.4,40.5) ; U1.AA29 v1(44.4,35.5) ; v1(36.9,46.01) 36.91,46.01 37.39,46.01 U1.AH18 ; v1(38.9,50) U1.AF14 ; v1(40.9,43.5) U1.AD20 ; U1.C23 v1(62.9,41) ; v1(36.9,35.5) U1.AH28 ; U1.A29 v1(64.9,35) ; U1.L29 v1(54.9,35) ; U1.A19 64.85,45 v1(64.85,45) ; U1.K22 v1(55.9,41.5) ; v1(41.9,40.5) U1.AC23 ; U1.G21 v1(58.4,43.5) ; U1.D20 v1(61.4,44.49) ; v1(39.9,46.5) U1.AE17 ; U1.D30 v1(61.4,34.5) ; U1.M26 v1(53.9,37.5) ; v1(51.4,33.5) U1.P30 ; v1(38.9,39.5) U1.AF24
  InLayer3 (PWR) w0.15: 38.9,48.7 39,48.6 ; 7.65,49.55 7.7,49.5 ; 7.76,47.74 7.8,47.7 ; 7.85,51.35 7.9,51.4 ; 7.65,53.15 7.7,53.2 ; 7.65,44.15 7.7,44.2 ; 44.1,41.4 44.1,41.4 ; 7.75,54.95 7.8,55 ; 7.95,45.95 8,45.9 ; 62,34.5 62.1,34.6
  InLayer3 (PWR) w0.4: 36.6,43.5 v1(37.9,43.5) ; v1(7.05,45.95) 7.95,45.95 ; v1(7.1,54.95) 7.75,54.95 ; v1(64.85,45) 64.85,45 63.7,45 ; 44,45 44.11,45 44.4,45.29 v1(44.4,45.5) 44.4,46.1 ; v1(54.9,35) 55.5,35 ; 61.4,44.49 62.08,44.49 ; v1(7.05,47.74) 7.76,47.74 ; 64.86,35 64.85,35 63.6,35 ; v1(7.05,53.15) 7.65,53.15 ; 36.4,48.5 v1(36.4,49.5) ; 41.8,40 U1.AF24 v1(38.9,39.5) ; v1(52.9,40.5) 53.19,40.5 54.19,41.5 55.5,41.5 ; 44.1,41.4 v1(45,41.4) ; 62.42,36.27 62.27,36.27 62.01,36 61.4,36 v1(60.9,36.5) ; v1(7.05,51.35) 7.85,51.35 ; 35.36,43.21 35.36,42.56 v1(34.8,42) ; 54.4,44.49 54.4,43.5 55.6,43.5 ; v1(7.05,44.15) 7.65,44.15 ; v1(40.9,43.5) 41.9,43.5 ; 36.4,36.47 36.4,38.77 36.17,39 v1(35.9,39) ; 44.1,39 45.4,39 v1(45.9,38.5) ; 58.2,40.5 v1(59.4,40.5) ; v1(61.4,34.5) 62,34.5 ; 55.6,37.1 55.5,37 54.4,37 v1(53.9,37.5) ; v1(51.4,44.5) 51.4,46.1 ; 38.9,48.7 v1(38.9,50) ; v1(36.9,35.5) 36.9,35.9 ; v1(7.05,49.55) 7.65,49.55
  Bottom Layer w0.15: v1(38.9,39.5) 38.95,39.55 39.36,39.55 39.71,39.9 40.4,39.9 C199.2 ; 65.31,35 C146.2 ; U8.2 U8.1 96.35,18.94 96.42,19 96.42,19.04 96.54,19.16 96.74,19.16 96.83,19.25 96.83,23.97 98.25,25.4 98.25,41.6 v1(99,42.35) ; C147.2 98.41,56.75 ; C194.2 98.4,42.35 ; 44.4,45.92 C140.2 ; 43.35,48.55 v1(43.4,48.5) ; 41.4,33.05 C143.2
  Bottom Layer w0.3: v1(44.4,45.5) 44.4,45.92
  Bottom Layer w0.35: 8.31,19.01 8.29,19.03 6.83,19.03 6.83,23.6 6.62,23.8 1.96,23.8 1.75,24.01 1.75,40.79 2.28,41.33 6.49,41.33 6.75,41.07 7.26,41.07 7.65,40.68 8.05,40.68 8.4,41.03 8.4,42.13 8.18,42.35 v1(7.85,42.35)
  Bottom Layer w0.4: 98.4,42.35 v1(99,42.35) ; 98.41,56.75 v1(99,56.75) ; 41.4,33.05 v1(41.4,33.5) ; 98.4,49.55 v1(99,49.55) ; 98.4,53.15 v1(99,53.15) ; v1(64.9,35) 65.31,35 ; 98.4,45.95 v1(99,45.95)